# KiCad board ClockFOUR.kicad_pcb (continued)
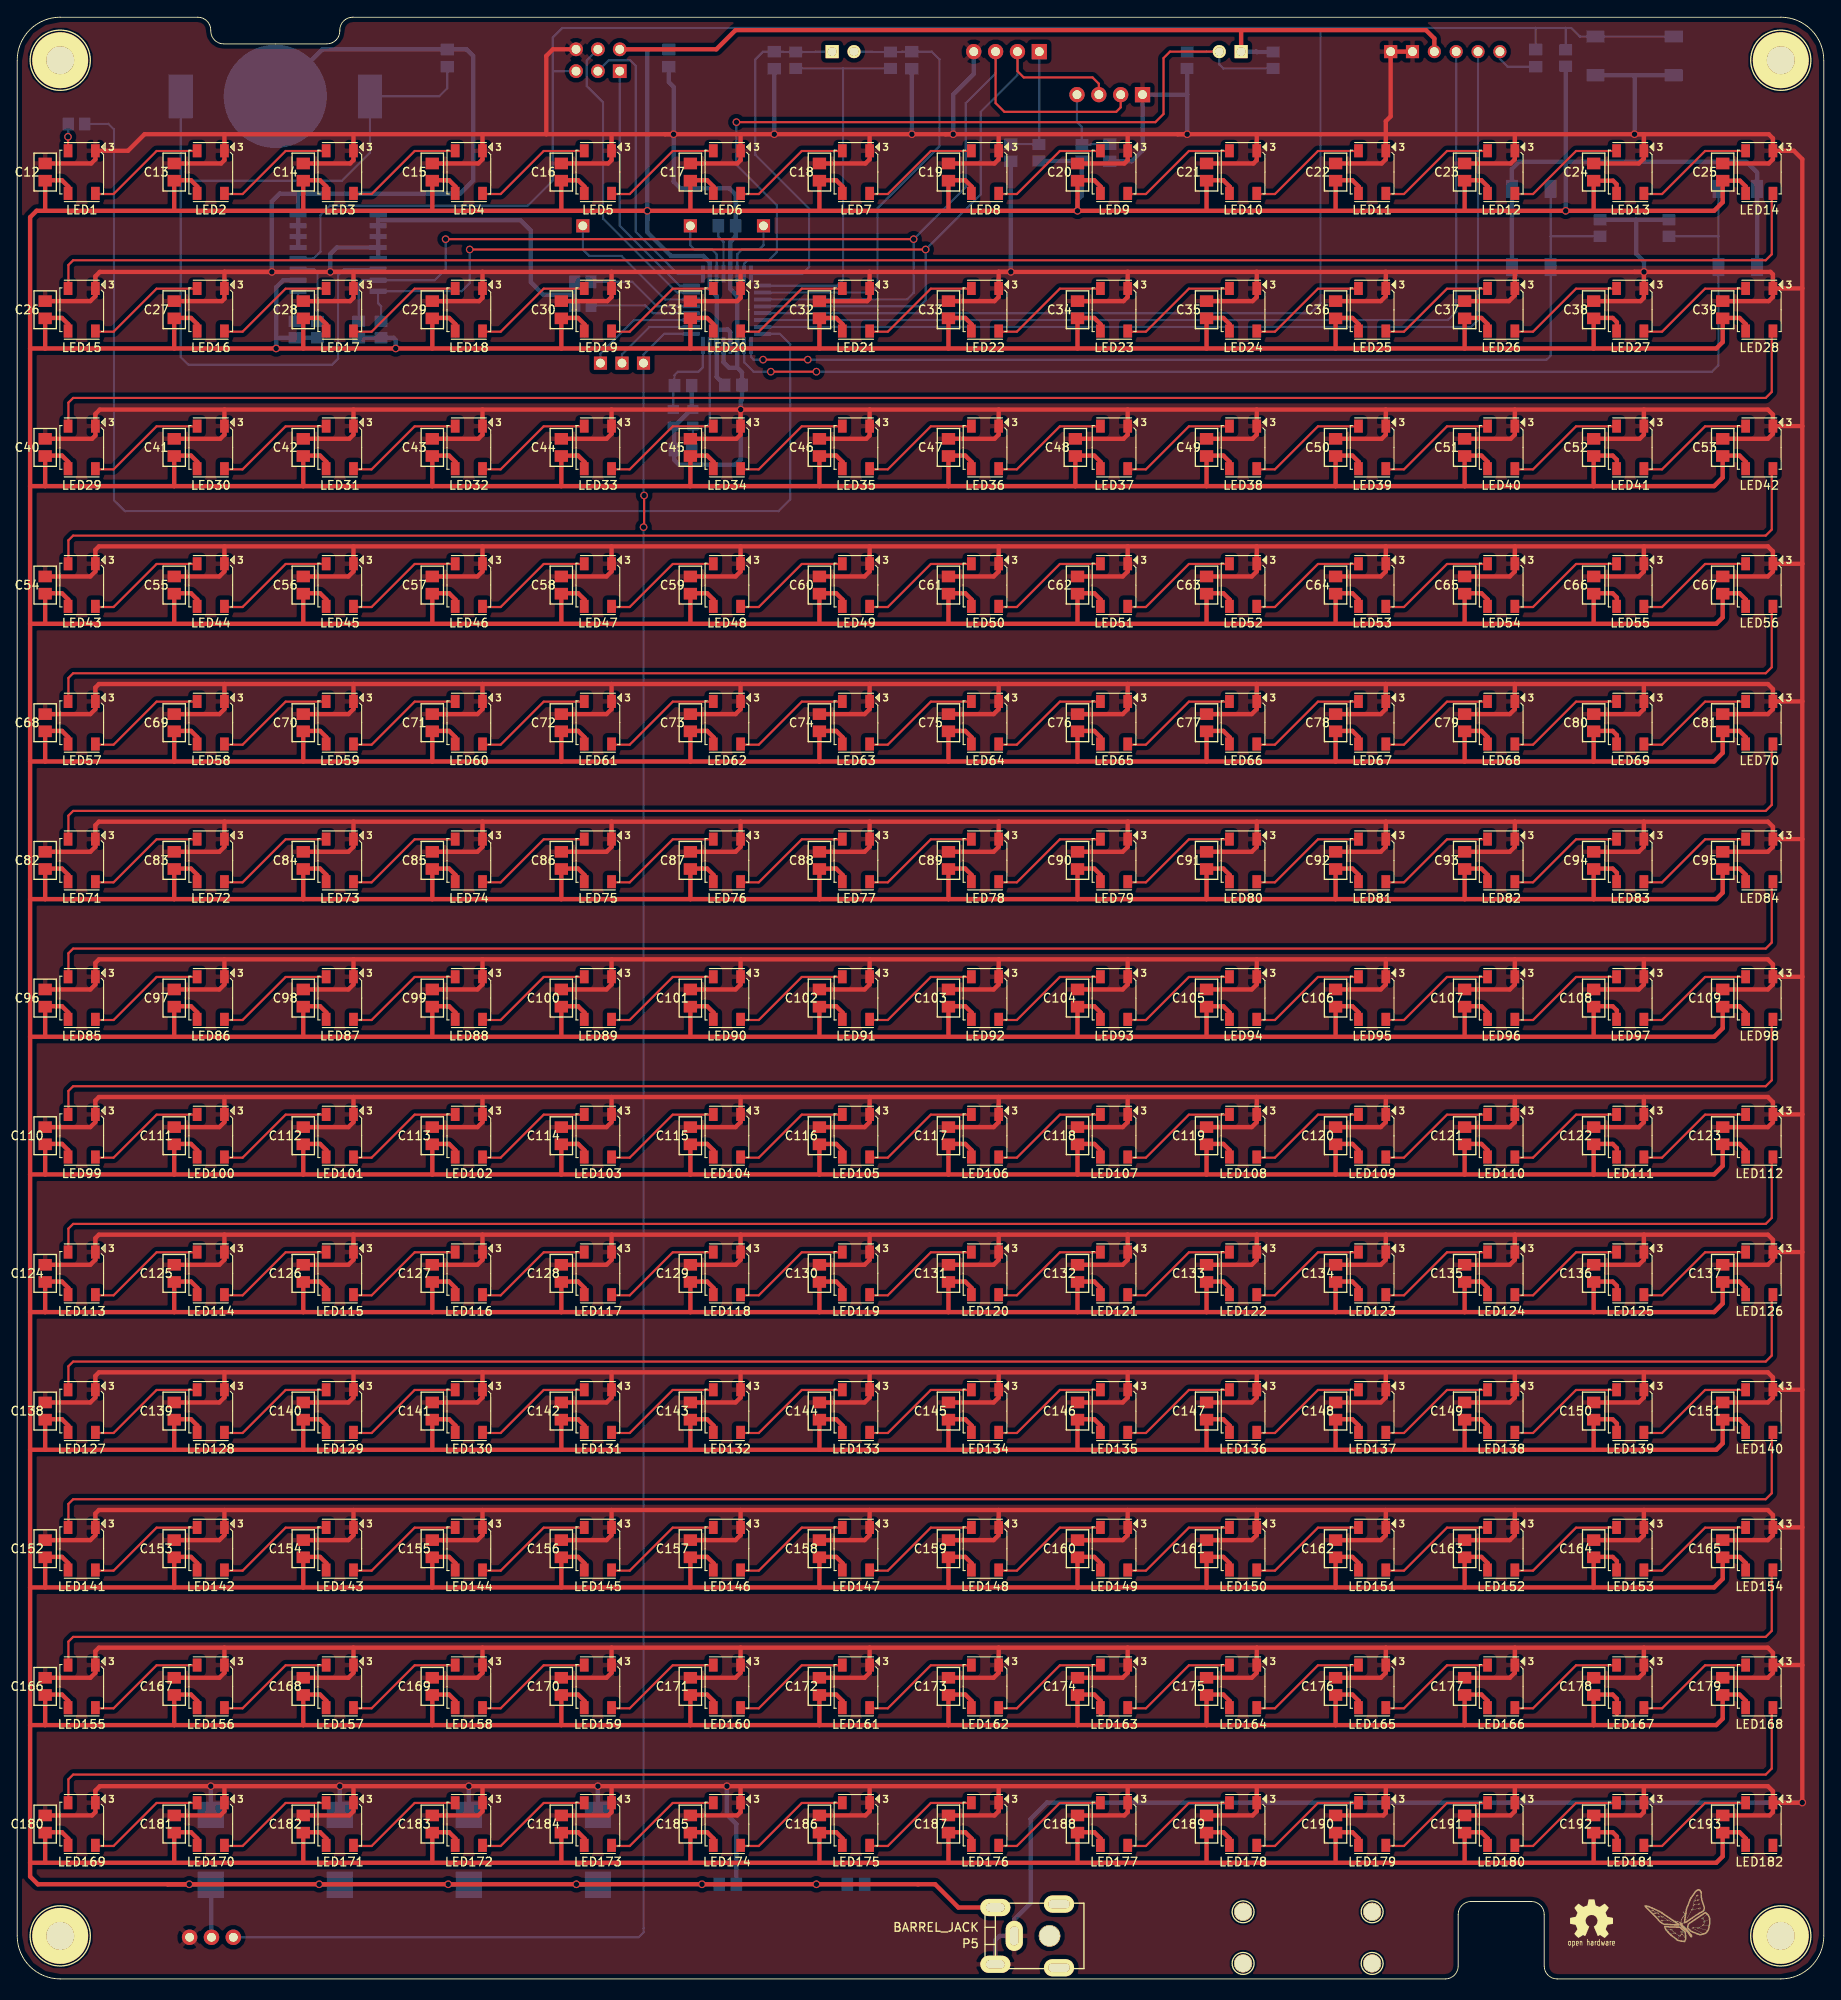
[diagram p0: board, top side]
## Routing (per net, layer and track width the routed paths; a pad name or vN(x,y) marks a point on that pad's centre or on a via; arc(x,y) is an arc through that point) (continued)
/5V_L: length 9.3
  Bottom w0.254: P7.1 123.19,215.81 123.75,215.25 P6.1 124.8,213.2 124.84,213.25 C197.1
/5V_R: length 14.1
  Bottom w0.254: P9.4 118.81,213.26 P8.2 118.7,213.25 C198.1
GND: length 4869.2
  Top w0.508: 24.09,166.5 9.5,166.5 9.09,166.09 LED43.3 9.09,163.59 8.5,163 C54.1 ; 24.09,166.5 39.09,166.5 ; 24.09,166.5 LED44.3 24.09,163.59 23.5,163 C55.1 ; LED56.3 204.09,165.91 203.5,166.5 189.09,166.5 ; LED56.3 204.09,163.59 203.5,163 C67.1 ; LED56.3 207.5,164.48 ; 24.09,150.5 9.5,150.5 9.09,150.09 LED57.3 9.09,147.59 8.5,147 C68.1 ; 24.09,150.5 39.09,150.5 ; 24.09,150.5 LED58.3 24.09,147.59 23.5,147 C69.1 ; LED70.3 204.09,149.91 203.5,150.5 189.09,150.5 ; LED70.3 204.09,147.59 203.5,147 C81.1 ; LED70.3 207.5,148.48 ; 189.09,150.5 174.09,150.5 ; 189.09,150.5 LED69.3 189.09,147.59 188.5,147 C80.1 ; 189.09,166.5 174.09,166.5 ; 189.09,166.5 LED55.3 189.09,163.59 188.5,163 C66.1 ; 174.09,150.5 159.09,150.5 ; 174.09,150.5 LED68.3 174.09,147.59 173.5,147 C79.1 ; 174.09,166.5 159.09,166.5 ; 174.09,166.5 LED54.3 174.09,163.59 173.5,163 C65.1 ; 159.09,166.5 144.09,166.5 ; 159.09,166.5 LED53.3 159.09,163.59 158.5,163 C64.1 ; 159.09,150.5 144.09,150.5 ; 159.09,150.5 LED67.3 159.09,147.59 158.5,147 C78.1 ; 144.09,150.5 129.09,150.5 ; 144.09,150.5 LED66.3 144.09,147.59 143.5,147 C77.1 ; 144.09,166.5 129.09,166.5 ; 144.09,166.5 LED52.3 144.09,163.59 143.5,163 C63.1 ; 129.09,166.5 114.09,166.5 ; 129.09,166.5 LED51.3 129.09,163.59 128.5,163 C62.1 ; 99.09,166.5 114.09,166.5 ; 99.09,166.5 84.09,166.5 ; 99.09,166.5 LED49.3 99.09,163.59 98.5,163 C60.1 ; 114.09,166.5 LED50.3 114.09,163.59 113.5,163 C61.1 ; 84.09,166.5 69.09,166.5 ; 84.09,166.5 LED48.3 84.09,163.59 83.5,163 C59.1 ; 69.09,166.5 54.09,166.5 ; 69.09,166.5 LED47.3 69.09,163.59 68.5,163 C58.1 ; 54.09,166.5 39.09,166.5 ; 54.09,166.5 LED46.3 54.09,163.59 53.5,163 C57.1 ; 39.09,166.5 LED45.3 39.09,163.59 38.5,163 C56.1 ; 129.09,150.5 114.09,150.5 ; 129.09,150.5 LED65.3 129.09,147.59 128.5,147 C76.1 ; 114.09,150.5 99.09,150.5 ; 114.09,150.5 LED64.3 114.09,147.59 113.5,147 C75.1 ; 99.09,150.5 84.09,150.5 ; 99.09,150.5 LED63.3 99.09,147.59 98.5,147 C74.1 ; 84.09,150.5 69.09,150.5 ; 84.09,150.5 LED62.3 84.09,147.59 83.5,147 C73.1 ; 69.09,150.5 54.09,150.5 ; 69.09,150.5 LED61.3 69.09,147.59 68.5,147 C72.1 ; 54.09,150.5 39.09,150.5 ; 54.09,150.5 LED60.3 54.09,147.59 53.5,147 C71.1 ; 39.09,150.5 LED59.3 39.09,147.59 38.5,147 C70.1 ; 24.09,134.5 9.5,134.5 9.09,134.09 LED71.3 9.09,131.59 8.5,131 C82.1 ; 24.09,134.5 39.09,134.5 ; 24.09,134.5 LED72.3 24.09,131.59 23.5,131 C83.1 ; LED84.3 204.09,133.91 203.5,134.5 189.09,134.5 ; LED84.3 204.09,131.59 203.5,131 C95.1 ; LED84.3 207.5,132.48 ; 189.09,134.5 174.09,134.5 ; 189.09,134.5 LED83.3 189.09,131.59 188.5,131 C94.1 ; 174.09,134.5 159.09,134.5 ; 174.09,134.5 LED82.3 174.09,131.59 173.5,131 C93.1 ; 159.09,134.5 144.09,134.5 ; 159.09,134.5 LED81.3 159.09,131.59 158.5,131 C92.1 ; 144.09,134.5 129.09,134.5 ; 144.09,134.5 LED80.3 144.09,131.59 143.5,131 C91.1 ; 129.09,134.5 114.09,134.5 ; 129.09,134.5 LED79.3 129.09,131.59 128.5,131 C90.1 ; 114.09,134.5 99.09,134.5 ; 114.09,134.5 LED78.3 114.09,131.59 113.5,131 C89.1 ; 99.09,134.5 84.09,134.5 ; 99.09,134.5 LED77.3 99.09,131.59 98.5,131 C88.1 ; 84.09,134.5 69.09,134.5 ; 84.09,134.5 LED76.3 84.09,131.59 83.5,131 C87.1 ; 69.09,134.5 54.09,134.5 ; 69.09,134.5 LED75.3 69.09,131.59 68.5,131 C86.1 ; 54.09,134.5 39.09,134.5 ; 54.09,134.5 LED74.3 54.09,131.59 53.5,131 C85.1 ; 39.09,134.5 LED73.3 39.09,131.59 38.5,131 C84.1 ; 24.09,118.5 9.5,118.5 9.09,118.09 LED85.3 9.09,115.59 8.5,115 C96.1 ; 24.09,118.5 39.09,118.5 ; 24.09,118.5 LED86.3 24.09,115.59 23.5,115 C97.1 ; LED98.3 204.09,117.91 203.5,118.5 189.09,118.5 ; LED98.3 204.09,115.59 203.5,115 C109.1 ; LED98.3 207.5,116.48 ; 189.09,118.5 174.09,118.5 ; 189.09,118.5 LED97.3 189.09,115.59 188.5,115 C108.1 ; 174.09,118.5 159.09,118.5 ; 174.09,118.5 LED96.3 174.09,115.59 173.5,115 C107.1 ; 159.09,118.5 144.09,118.5 ; 159.09,118.5 LED95.3 159.09,115.59 158.5,115 C106.1 ; 144.09,118.5 129.09,118.5 ; 144.09,118.5 LED94.3 144.09,115.59 143.5,115 C105.1 ; 129.09,118.5 114.09,118.5 ; 129.09,118.5 LED93.3 129.09,115.59 128.5,115 C104.1 ; 114.09,118.5 99.09,118.5 ; 114.09,118.5 LED92.3 114.09,115.59 113.5,115 C103.1 ; 99.09,118.5 84.09,118.5 ; 99.09,118.5 LED91.3 99.09,115.59 98.5,115 C102.1 ; 84.09,118.5 69.09,118.5 ; 84.09,118.5 LED90.3 84.09,115.59 83.5,115 C101.1 ; 69.09,118.5 54.09,118.5 ; 69.09,118.5 LED89.3 69.09,115.59 68.5,115 C100.1 ; 54.09,118.5 39.09,118.5 ; 54.09,118.5 LED88.3 54.09,115.59 53.5,115 C99.1 ; 39.09,118.5 LED87.3 39.09,115.59 38.5,115 C98.1 ; 24.09,102.5 9.5,102.5 9.09,102.09 LED99.3 9.09,99.59 8.5,99 C110.1 ; 24.09,102.5 39.09,102.5 ; 24.09,102.5 LED100.3 24.09,99.59 23.5,99 C111.1 ; LED112.3 204.09,101.91 203.5,102.5 189.09,102.5 ; LED112.3 204.09,99.59 203.5,99 C123.1 ; LED112.3 207.5,100.48 ; 189.09,102.5 174.09,102.5 ; 189.09,102.5 LED111.3 189.09,99.59 188.5,99 C122.1 ; 174.09,102.5 159.09,102.5 ; 174.09,102.5 LED110.3 174.09,99.59 173.5,99 C121.1 ; 159.09,102.5 144.09,102.5 ; 159.09,102.5 LED109.3 159.09,99.59 158.5,99 C120.1 ; 144.09,102.5 129.09,102.5 ; 144.09,102.5 LED108.3 144.09,99.59 143.5,99 C119.1 ; 129.09,102.5 114.09,102.5 ; 129.09,102.5 LED107.3 129.09,99.59 128.5,99 C118.1 ; 114.09,102.5 99.09,102.5 ; 114.09,102.5 LED106.3 114.09,99.59 113.5,99 C117.1 ; 99.09,102.5 84.09,102.5 ; 99.09,102.5 LED105.3 99.09,99.59 98.5,99 C116.1 ; 84.09,102.5 69.09,102.5 ; 84.09,102.5 LED104.3 84.09,99.59 83.5,99 C115.1 ; 69.09,102.5 54.09,102.5 ; 69.09,102.5 LED103.3 69.09,99.59 68.5,99 C114.1 ; 54.09,102.5 39.09,102.5 ; 54.09,102.5 LED102.3 54.09,99.59 53.5,99 C113.1 ; 39.09,102.5 LED101.3 39.09,99.59 38.5,99 C112.1 ; 24.09,86.5 9.5,86.5 9.09,86.09 LED113.3 9.09,83.59 8.5,83 C124.1 ; 24.09,86.5 39.09,86.5 ; 24.09,86.5 LED114.3 24.09,83.59 23.5,83 C125.1 ; LED126.3 204.09,85.91 203.5,86.5 189.09,86.5 ; LED126.3 204,84.39 ; LED126.3 204.09,83.59 203.5,83 C137.1 ; LED126.3 207.5,84.48 ; 189.09,86.5 174.09,86.5 ; 189.09,86.5 LED125.3 189.09,83.59 188.5,83 C136.1 ; 174.09,86.5 159.09,86.5 ; 174.09,86.5 LED124.3 174.09,83.59 173.5,83 C135.1 ; 159.09,86.5 144.09,86.5 ; 159.09,86.5 LED123.3 159.09,83.59 158.5,83 C134.1 ; 144.09,86.5 129.09,86.5 ; 144.09,86.5 LED122.3 144.09,83.59 143.5,83 C133.1 ; 129.09,86.5 114.09,86.5 ; 129.09,86.5 LED121.3 129.09,83.59 128.5,83 C132.1 ; 114.09,86.5 99.09,86.5 ; 114.09,86.5 LED120.3 114.09,83.59 113.5,83 C131.1 ; 99.09,86.5 84.09,86.5 ; 99.09,86.5 LED119.3 99.09,83.59 98.5,83 C130.1 ; 84.09,86.5 69.09,86.5 ; 84.09,86.5 LED118.3 84.09,83.59 83.5,83 C129.1 ; 69.09,86.5 54.09,86.5 ; 69.09,86.5 LED117.3 69.09,83.59 68.5,83 C128.1 ; 54.09,86.5 39.09,86.5 ; 54.09,86.5 LED116.3 54.09,83.59 53.5,83 C127.1 ; 39.09,86.5 LED115.3 39.09,83.59 38.5,83 C126.1 ; 24.09,70.5 9.5,70.5 9.09,70.09 LED127.3 9.09,67.59 8.5,67 C138.1 ; 24.09,70.5 39.09,70.5 ; 24.09,70.5 LED128.3 24.09,67.59 23.5,67 C139.1 ; LED140.3 204.09,69.91 203.5,70.5 189.09,70.5 ; LED140.3 204.09,67.59 203.5,67 C151.1 ; LED140.3 207.5,68.48 ; 189.09,70.5 174.09,70.5 ; 189.09,70.5 LED139.3 189.09,67.59 188.5,67 C150.1 ; 174.09,70.5 159.09,70.5 ; 174.09,70.5 LED138.3 174.09,67.59 173.5,67 C149.1 ; 159.09,70.5 144.09,70.5 ; 159.09,70.5 LED137.3 159.09,67.59 158.5,67 C148.1 ; 144.09,70.5 129.09,70.5 ; 144.09,70.5 LED136.3 144.09,67.59 143.5,67 C147.1 ; 129.09,70.5 114.09,70.5 ; 129.09,70.5 LED135.3 129.09,67.59 128.5,67 C146.1 ; 114.09,70.5 99.09,70.5 ; 114.09,70.5 LED134.3 114.09,67.59 113.5,67 C145.1 ; 99.09,70.5 84.09,70.5 ; 99.09,70.5 LED133.3 99.09,67.59 98.5,67 C144.1 ; 84.09,70.5 69.09,70.5 ; 84.09,70.5 LED132.3 84.09,67.59 83.5,67 C143.1 ; 69.09,70.5 54.09,70.5 ; 69.09,70.5 LED131.3 69.09,67.59 68.5,67 C142.1 ; 54.09,70.5 39.09,70.5 ; 54.09,70.5 LED130.3 54.09,67.59 53.5,67 C141.1 ; 39.09,70.5 LED129.3 39.09,67.59 38.5,67 C140.1 ; 24.09,54.5 9.5,54.5 9.09,54.09 LED141.3 9.09,51.59 8.5,51 C152.1 ; 24.09,54.5 39.09,54.5 ; 24.09,54.5 LED142.3 24.09,51.59 23.5,51 C153.1 ; LED154.3 204.09,53.91 203.5,54.5 189.09,54.5 ; LED154.3 204.09,51.59 203.5,51 C165.1 ; LED154.3 207.5,52.48 ; 189.09,54.5 174.09,54.5 ; 189.09,54.5 LED153.3 189.09,51.59 188.5,51 C164.1 ; 174.09,54.5 159.09,54.5 ; 174.09,54.5 LED152.3 174.09,51.59 173.5,51 C163.1 ; 159.09,54.5 144.09,54.5 ; 159.09,54.5 LED151.3 159.09,51.59 158.5,51 C162.1 ; 144.09,54.5 129.09,54.5 ; 144.09,54.5 LED150.3 144.09,51.59 143.5,51 C161.1 ; 129.09,54.5 114.09,54.5 ; 129.09,54.5 LED149.3 129.09,51.59 128.5,51 C160.1 ; 114.09,54.5 99.09,54.5 ; 114.09,54.5 LED148.3 114.09,51.59 113.5,51 C159.1 ; 99.09,54.5 84.09,54.5 ; 99.09,54.5 LED147.3 99.09,51.59 98.5,51 C158.1 ; 84.09,54.5 69.09,54.5 ; 84.09,54.5 LED146.3 84.09,51.59 83.5,51 C157.1 ; 69.09,54.5 54.09,54.5 ; 69.09,54.5 LED145.3 69.09,51.59 68.5,51 C156.1 ; 54.09,54.5 39.09,54.5 ; 54.09,54.5 LED144.3 54.09,51.59 53.5,51 C155.1 ; 39.09,54.5 LED143.3 39.09,51.59 38.5,51 C154.1 ; 24.09,38.5 9.5,38.5 9.09,38.09 LED155.3 9.09,35.59 8.5,35 C166.1 ; 24.09,38.5 39.09,38.5 ; 24.09,38.5 LED156.3 24.09,35.59 23.5,35 C167.1 ; LED168.3 204.09,37.91 203.5,38.5 189.09,38.5 ; LED168.3 204.09,35.59 203.5,35 C179.1 ; LED168.3 207.5,36.48 ; 189.09,38.5 174.09,38.5 ; 189.09,38.5 LED167.3 189.09,35.59 188.5,35 C178.1 ; 174.09,38.5 159.09,38.5 ; 174.09,38.5 LED166.3 174.09,35.59 173.5,35 C177.1 ; 159.09,38.5 144.09,38.5 ; 159.09,38.5 LED165.3 159.09,35.59 158.5,35 C176.1 ; 144.09,38.5 129.09,38.5 ; 144.09,38.5 LED164.3 144.09,35.59 143.5,35 C175.1 ; 129.09,38.5 114.09,38.5 ; 129.09,38.5 LED163.3 129.09,35.59 128.5,35 C174.1 ; 114.09,38.5 99.09,38.5 ; 114.09,38.5 LED162.3 114.09,35.59 113.5,35 C173.1 ; 99.09,38.5 84.09,38.5 ; 99.09,38.5 LED161.3 99.09,35.59 98.5,35 C172.1 ; 84.09,38.5 69.09,38.5 ; 84.09,38.5 LED160.3 84.09,35.59 83.5,35 C171.1 ; 69.09,38.5 54.09,38.5 ; 69.09,38.5 LED159.3 69.09,35.59 68.5,35 C170.1 ; 54.09,38.5 39.09,38.5 ; 54.09,38.5 LED158.3 54.09,35.59 53.5,35 C169.1 ; 39.09,38.5 LED157.3 39.09,35.59 38.5,35 C168.1 ; 207.5,196.48 207.5,211.5 206.52,212.48 LED14.3 ; 207.5,196.48 207.5,180.48 ; 207.5,196.48 LED28.3 ; 207.5,52.48 207.5,36.48 ; 207.5,52.48 207.5,68.48 ; 207.5,36.48 207.5,20.48 ; 207.5,68.48 207.5,84.48 ; 207.5,84.48 207.5,100.48 ; 207.5,100.48 207.5,116.48 ; 207.5,116.48 207.5,132.48 ; 207.5,132.48 207.5,148.48 ; 207.5,148.48 207.5,164.48 ; 207.5,164.48 207.5,180.48 ; 207.5,180.48 LED42.3 ; v1(207.5,20.5) 207.5,20.48 ; 207.5,20.48 LED182.3 ; 61.5,214.4 61.5,223.5 62.27,224.27 P1.6 ; 61.5,214.4 69.09,214.4 ; 61.5,214.4 54.09,214.4 ; 69.09,214.4 75.3,214.4 ; 69.09,214.4 LED5.3 69.09,211.39 68.7,211 C16.1 ; 189.09,214.4 203.6,214.4 204.09,213.91 LED14.3 ; 189.09,214.4 174.09,214.4 ; 189.09,214.4 v1(188,214.4) ; 189.09,214.4 LED13.3 189.09,211.59 188.5,211 C24.1 ; LED182.3 204.09,21.81 203.5,22.4 189.09,22.4 ; LED182.3 204.09,19.39 203.7,19 C193.1 ; 189.09,22.4 174.09,22.4 ; 189.09,22.4 LED181.3 189.09,19.39 188.7,19 C192.1 ; 174.09,22.4 159.09,22.4 ; 174.09,22.4 LED180.3 174.09,19.49 173.6,19 C191.1 ; 159.09,22.4 144.09,22.4 ; 159.09,22.4 LED179.3 159.09,19.29 158.8,19 C190.1 ; 144.09,22.4 129.09,22.4 ; 144.09,22.4 LED178.3 144.09,19.49 143.6,19 C189.1 ; 129.09,22.4 114.09,22.4 ; 129.09,22.4 LED177.3 129.09,19.39 128.7,19 C188.1 ; 114.09,22.4 99.09,22.4 ; 114.09,22.4 LED176.3 114.09,19.49 113.6,19 C187.1 ; 99.09,22.4 84.09,22.4 ; 99.09,22.4 LED175.3 99.09,19.49 98.6,19 C186.1 ; 84.09,22.4 v1(82.5,22.4) 69.09,22.4 ; 84.09,22.4 LED174.3 84.09,19.39 83.7,19 C185.1 ; 69.09,22.4 v1(67.5,22.4) 54.09,22.4 ; 69.09,22.4 LED173.3 69.09,19.39 68.7,19 C184.1 ; 54.09,22.4 v1(52.5,22.4) 39.09,22.4 ; 54.09,22.4 LED172.3 54.09,19.49 53.6,19 C183.1 ; 39.09,22.4 v1(37.5,22.4) 24.09,22.4 ; 39.09,22.4 LED171.3 39.09,19.49 38.6,19 C182.1 ; 24.09,22.4 v1(22.5,22.4) 9.6,22.4 9.09,21.89 LED169.3 9.09,19.39 8.7,19 C180.1 ; 24.09,22.4 LED170.3 24.09,19.49 23.6,19 C181.1 ; 24.09,198.4 9.6,198.4 9.09,197.89 LED15.3 9.09,195.59 8.5,195 C26.1 ; 24.09,198.4 24.1,198.4 ; 24.09,198.4 LED16.3 24.09,195.29 23.8,195 C27.1 ; LED28.3 204.09,198.11 203.8,198.4 189.09,198.4 ; LED28.3 204.09,195.49 203.6,195 C39.1 ; 189.09,198.4 188,198.4 ; 189.09,198.4 LED27.3 189.09,195.39 188.7,195 C38.1 ; 174.09,198.4 188,198.4 ; 174.09,198.4 159.09,198.4 ; 174.09,198.4 LED26.3 174.09,195.69 173.4,195 C37.1 ; 188,198.4 v1(189.1,198.4) ; 159.09,198.4 144.09,198.4 ; 159.09,198.4 LED25.3 159.09,195.59 158.5,195 C36.1 ; 144.09,198.4 129.09,198.4 ; 144.09,198.4 LED24.3 144.09,195.49 143.6,195 C35.1 ; 129.09,198.4 114.1,198.4 ; 129.09,198.4 LED23.3 129.09,195.49 128.6,195 C34.1 ; 114.09,198.4 114.1,198.4 ; 114.09,198.4 99.09,198.4 ; 114.09,198.4 LED22.3 114.09,195.49 113.6,195 C33.1 ; 114.1,198.4 v1(115.5,198.4) ; 99.09,198.4 84.09,198.4 ; 99.09,198.4 LED21.3 99.09,195.29 98.8,195 C32.1 ; 84.09,198.4 69.09,198.4 ; 84.09,198.4 LED20.3 84.09,195.39 83.7,195 C31.1 ; 69.09,198.4 54.09,198.4 ; 69.09,198.4 LED19.3 69.09,195.49 68.6,195 C30.1 ; 54.09,198.4 39.09,198.4 ; 54.09,198.4 LED18.3 54.09,195.39 53.7,195 C29.1 ; 39.09,198.4 v1(36.4,198.4) ; 39.09,198.4 24.1,198.4 ; 39.09,198.4 LED17.3 39.09,195.39 38.7,195 C28.1 ; 24.1,198.4 v1(29.6,198.4) ; 24.09,214.4 14.8,214.4 12.88,212.48 LED1.3 9.09,211.49 8.6,211 C12.1 ; 24.09,214.4 39.09,214.4 ; 24.09,214.4 LED2.3 24.09,211.39 23.7,211 C13.1 ; LED14.3 204.09,211.49 203.6,211 C25.1 ; 174.09,214.4 159.09,214.4 ; 174.09,214.4 LED12.3 174.09,211.49 173.6,211 C23.1 ; 159.09,214.4 144.09,214.4 ; 159.09,214.4 159.09,215.91 159.65,216.47 P2.1 P2.2 ; 159.09,214.4 LED11.3 159.09,211.49 158.6,211 C22.1 ; 144.09,214.4 134.9,214.4 ; 144.09,214.4 LED10.3 144.09,211.39 143.7,211 C21.1 ; 129.09,214.4 134.9,214.4 ; 129.09,214.4 114.09,214.4 ; 129.09,214.4 LED9.3 129.09,211.39 128.7,211 C20.1 ; 134.9,214.4 v1(136,214.4) ; 114.09,214.4 107.9,214.4 ; 114.09,214.4 LED8.3 114.09,211.49 113.6,211 C19.1 ; 99.09,214.4 v1(104,214.4) 107.9,214.4 ; 99.09,214.4 v1(88,214.4) 84.09,214.4 ; 99.09,214.4 LED7.3 99.09,211.49 98.6,211 C18.1 ; 84.09,214.4 75.3,214.4 ; 84.09,214.4 LED6.3 84.09,211.39 83.7,211 C17.1 ; 75.3,214.4 v1(76.3,214.4) ; 54.09,214.4 39.09,214.4 ; 54.09,214.4 LED4.3 54.09,211.49 53.6,211 C15.1 ; 39.09,214.4 LED3.3 39.09,211.39 38.7,211 C14.1 ; 24.09,182.4 9.6,182.4 9.09,181.89 LED29.3 9.09,179.39 8.7,179 C40.1 ; 24.09,182.4 39.09,182.4 ; 24.09,182.4 LED30.3 24.09,179.49 23.6,179 C41.1 ; LED42.3 204.09,181.81 203.5,182.4 189.09,182.4 ; LED42.3 204.09,179.59 203.5,179 C53.1 ; 189.09,182.4 174.09,182.4 ; 189.09,182.4 LED41.3 189.09,179.49 188.6,179 C52.1 ; 174.09,182.4 159.09,182.4 ; 174.09,182.4 LED40.3 174.09,179.49 173.6,179 C51.1 ; 159.09,182.4 144.09,182.4 ; 159.09,182.4 LED39.3 159.09,179.49 158.6,179 C50.1 ; 144.09,182.4 129.09,182.4 ; 144.09,182.4 LED38.3 144.09,179.49 143.6,179 C49.1 ; 129.09,182.4 114.09,182.4 ; 129.09,182.4 LED37.3 129.09,179.49 128.6,179 C48.1 ; 114.09,182.4 99.09,182.4 ; 114.09,182.4 LED36.3 114.09,179.49 113.6,179 C47.1 ; 99.09,182.4 84.09,182.4 ; 99.09,182.4 LED35.3 99.09,179.39 98.7,179 C46.1 ; 84.09,182.4 v1(84.1,182.4) ; 84.09,182.4 69.09,182.4 ; 84.09,182.4 LED34.3 84.09,179.49 83.6,179 C45.1 ; 69.09,182.4 54.09,182.4 ; 69.09,182.4 LED33.3 69.09,179.59 68.5,179 C44.1 ; 54.09,182.4 39.09,182.4 ; 54.09,182.4 LED32.3 54.09,179.49 53.6,179 C43.1 ; 39.09,182.4 LED31.3 39.09,179.49 38.6,179 C42.1 ; 107.9,214.4 v1(108.8,214.4)
  Bottom w0.254: 83.18,203.58 83.35,203.75
  Bottom w0.508: BT1.2 35.45,224.25 C9.2 52.25,224.25 53,223.5 53,209 51.5,207.5 32.65,207.5 ; 83.7,187.28 82.72,187.28 82.1,187.9 U1.5 ; 83.7,187.28 84.25,186.72 C1.2 84.25,183.55 84.1,183.4 v1(84.1,182.4) 84.1,176.6 83.5,176 76.9,176 76.4,176.5 C5.2 76.4,180.35 X1.3 76.45,180.5 78.35,182.4 X1.3 78.4,182.55 C7.1 ; 83.7,187.28 U1.3 83.7,195.6 82.9,196.4 U1.21 82.9,201.9 83.5,202.5 C3.2 83.5,207.4 82.8,208.1 77.1,208.1 76.3,208.9 v1(76.3,214.4) 76.3,219.9 75.75,220.45 C8.1 ; 64.8,195.75 R12.1 ; 64.8,195.75 61.15,195.75 59.7,197.2 59.7,203.2 58.5,204.4 41.95,204.4 ; 64.8,195.75 R13.1 ; 188,221.25 SW1.2 ; 188,221.25 SW1.2 ; 188,221.25 v1(188,214.4) ; C197.2 129.55,211.25 130.81,212.51 P7.4 136,219 R5.2 v1(136,214.4) ; v1(108.8,214.4) 108.8,219 111.19,221.39 P9.1 ; 188.2,204.45 R11.2 ; 188.2,204.45 R10.2 ; 188.2,204.45 188.2,200.5 189.1,199.6 v1(189.1,198.4) ; v1(29.6,198.4) 29.6,206.6 30.5,207.5 32.65,207.5 ; 41.95,204.4 U2.9 ; 41.95,204.4 U2.11 U2.12 ; v1(82.5,22.4) 82.5,19.1 83.6,18 C11.2 ; U2.12 37.14,201.24 36.4,200.5 v1(36.4,198.4) ; U2.12 U2.13 ; v1(207.5,20.5) 119.7,20.5 117.8,18.6 117.8,8.8 115.9,6.9 P5.2 114.2,5 113.7,4.5 P5.3 ; C4.2 v1(104,214.4) ; 32.65,207.5 U2.8 U2.6 U2.5 ; C194.2 v1(37.5,22.4) ; C2.2 v1(88,214.4) ; C195.2 v1(52.5,22.4) ; C198.2 v1(115.5,198.4) ; C10.2 v1(22.5,22.4) ; C196.2 v1(67.5,22.4)
/A6: length 8
  Bottom w0.254: A6.1 78.25,201.5 78.75,201 80.75,201 81.3,200.45 U1.19
/A7: length 8
  Bottom w0.254: A7.1 86.75,201.5 86.25,201 84.25,201 83.7,200.45 U1.22
/AREF: length 5.8
  Bottom w0.254: C3.1 81.5,202.5 82.1,201.9 U1.20
/B2: length 17.8
  Bottom w0.254: B2.1 65.75,201 66.5,200.25 70.25,200.25 75.3,195.2 U1.14
/BAT: length 105.7
  Bottom w0.254: 19,209 37.75,209 41,212.25 BT1.1 49.05,218.8 50,219.75 C9.1 ; 19,209 BT1.1 ; 19,209 19,188.5 19.9,187.6 36.6,187.6 37.3,188.3 37.3,198 38,198.69 U2.14
/BUTTON_L: length 43.2
  Bottom w0.254: U1.24 91.25,198.15 92.05,198.95 92.05,205.75 85.8,212 85.8,223.1 86.7,224 C2.1 89,224 89.05,223.95 R3.1 92.75,223.95 92.8,224 P4.1
/BUTTON_R: length 53.3
  Bottom w0.254: U1.26 99.25,196 100,196.75 100,205.8 107.2,213 107.2,223.1 106.3,224 C4.1 102.9,224 102.85,223.95 R4.2 99.45,223.95 99.4,224 P4.2
/D5: length 237.9
  Top w0.254: v1(72.81,168.73) 72.87,168.8 v1(72.87,172.42)
  Bottom w0.254: v1(72.87,172.42) 72.8,172.49 D5.1 72.8,188.8 75.2,191.2 U1.9 ; v1(72.81,168.73) 72.81,5.41 72.24,4.84 25.12,4.84
/D6: length 10.4
  Bottom w0.254: D6.1 70.3,188.8 73.5,192 U1.10
/D7: length 13.3
  Bottom w0.254: D7.1 67.8,188.9 71.7,192.8 U1.11
/LDR_PIN: length 97.6
  Top w0.254: P3.2 134,224 133.25,223.25 133.25,216.75 132.3,215.8 v1(83.6,215.8)
  Bottom w0.254: R5.1 138.2,223.95 138.25,224 P3.2 139.73,222.52 140.2,222.05 LDR1.2 ; v1(83.6,215.8) 83.6,210.85 88.3,206.15 88.3,200.7 87.35,199.75 84.9,199.75 84.5,199.35 U1.23
/MATRIX_PIN: length 148.2
  Bottom w0.254: R1.1 10.6,215.6 11.25,214.95 11.25,171.85 12.5,170.6 88.5,170.6 89.85,171.95 89.85,190 88.65,191.2 U1.32
/MISO: length 29.2
  Bottom w0.254: U1.16 77,196.8 70.04,203.76 P1.1
/MOSI: length 34.8
  Bottom w0.254: P1.4 66.2,222.97 66.2,220 68.1,218.1 68.1,204.6 76.7,196 U1.15
/RESET: length 288.9
  Bottom w0.254: 32.53,199.85 U2.4 34.47,199.97 35.25,200.75 35.25,205 36.35,206.1 59.35,206.1 62.25,209 62.25,221.73 ; 62.25,221.73 62.25,225.65 63.35,226.75 151.5,226.75 ; 62.25,221.73 P1.5 ; 180,226.75 176.5,226.75 ; 180,226.75 R2.2 ; 180,226.75 180.65,226.75 181.65,225.75 SW1.1 SW1.1 ; 176.5,226.75 151.5,226.75 ; 176.5,226.75 C6.1 ; 151.5,226.75 151.5,194.75 150.35,193.6 U1.29
/Row_A/DI_A: length 3.1
  Top w0.254: v1(5.9,214.1) 5.91,214.09 LED1.4
  Bottom w0.254: v1(5.9,214.1) 5.95,214.15 R1.2
/Row_B/DI_B: length 208.3
  Top w0.254: 203.95,207.45 203.95,200.45 203.25,199.75 6.5,199.75 5.95,199.2 5.95,196.45
/Row_C/DI_C: length 208.3
  Top w0.254: 203.95,191.45 203.95,184.45 203.25,183.75 6.5,183.75 5.95,183.2 5.95,180.45
/Row_D/DI_D: length 208.3
  Top w0.254: 203.95,175.45 203.95,168.45 203.25,167.75 6.5,167.75 5.95,167.2 5.95,164.45